# KiCad board central-control-unit.kicad_pcb (continued)
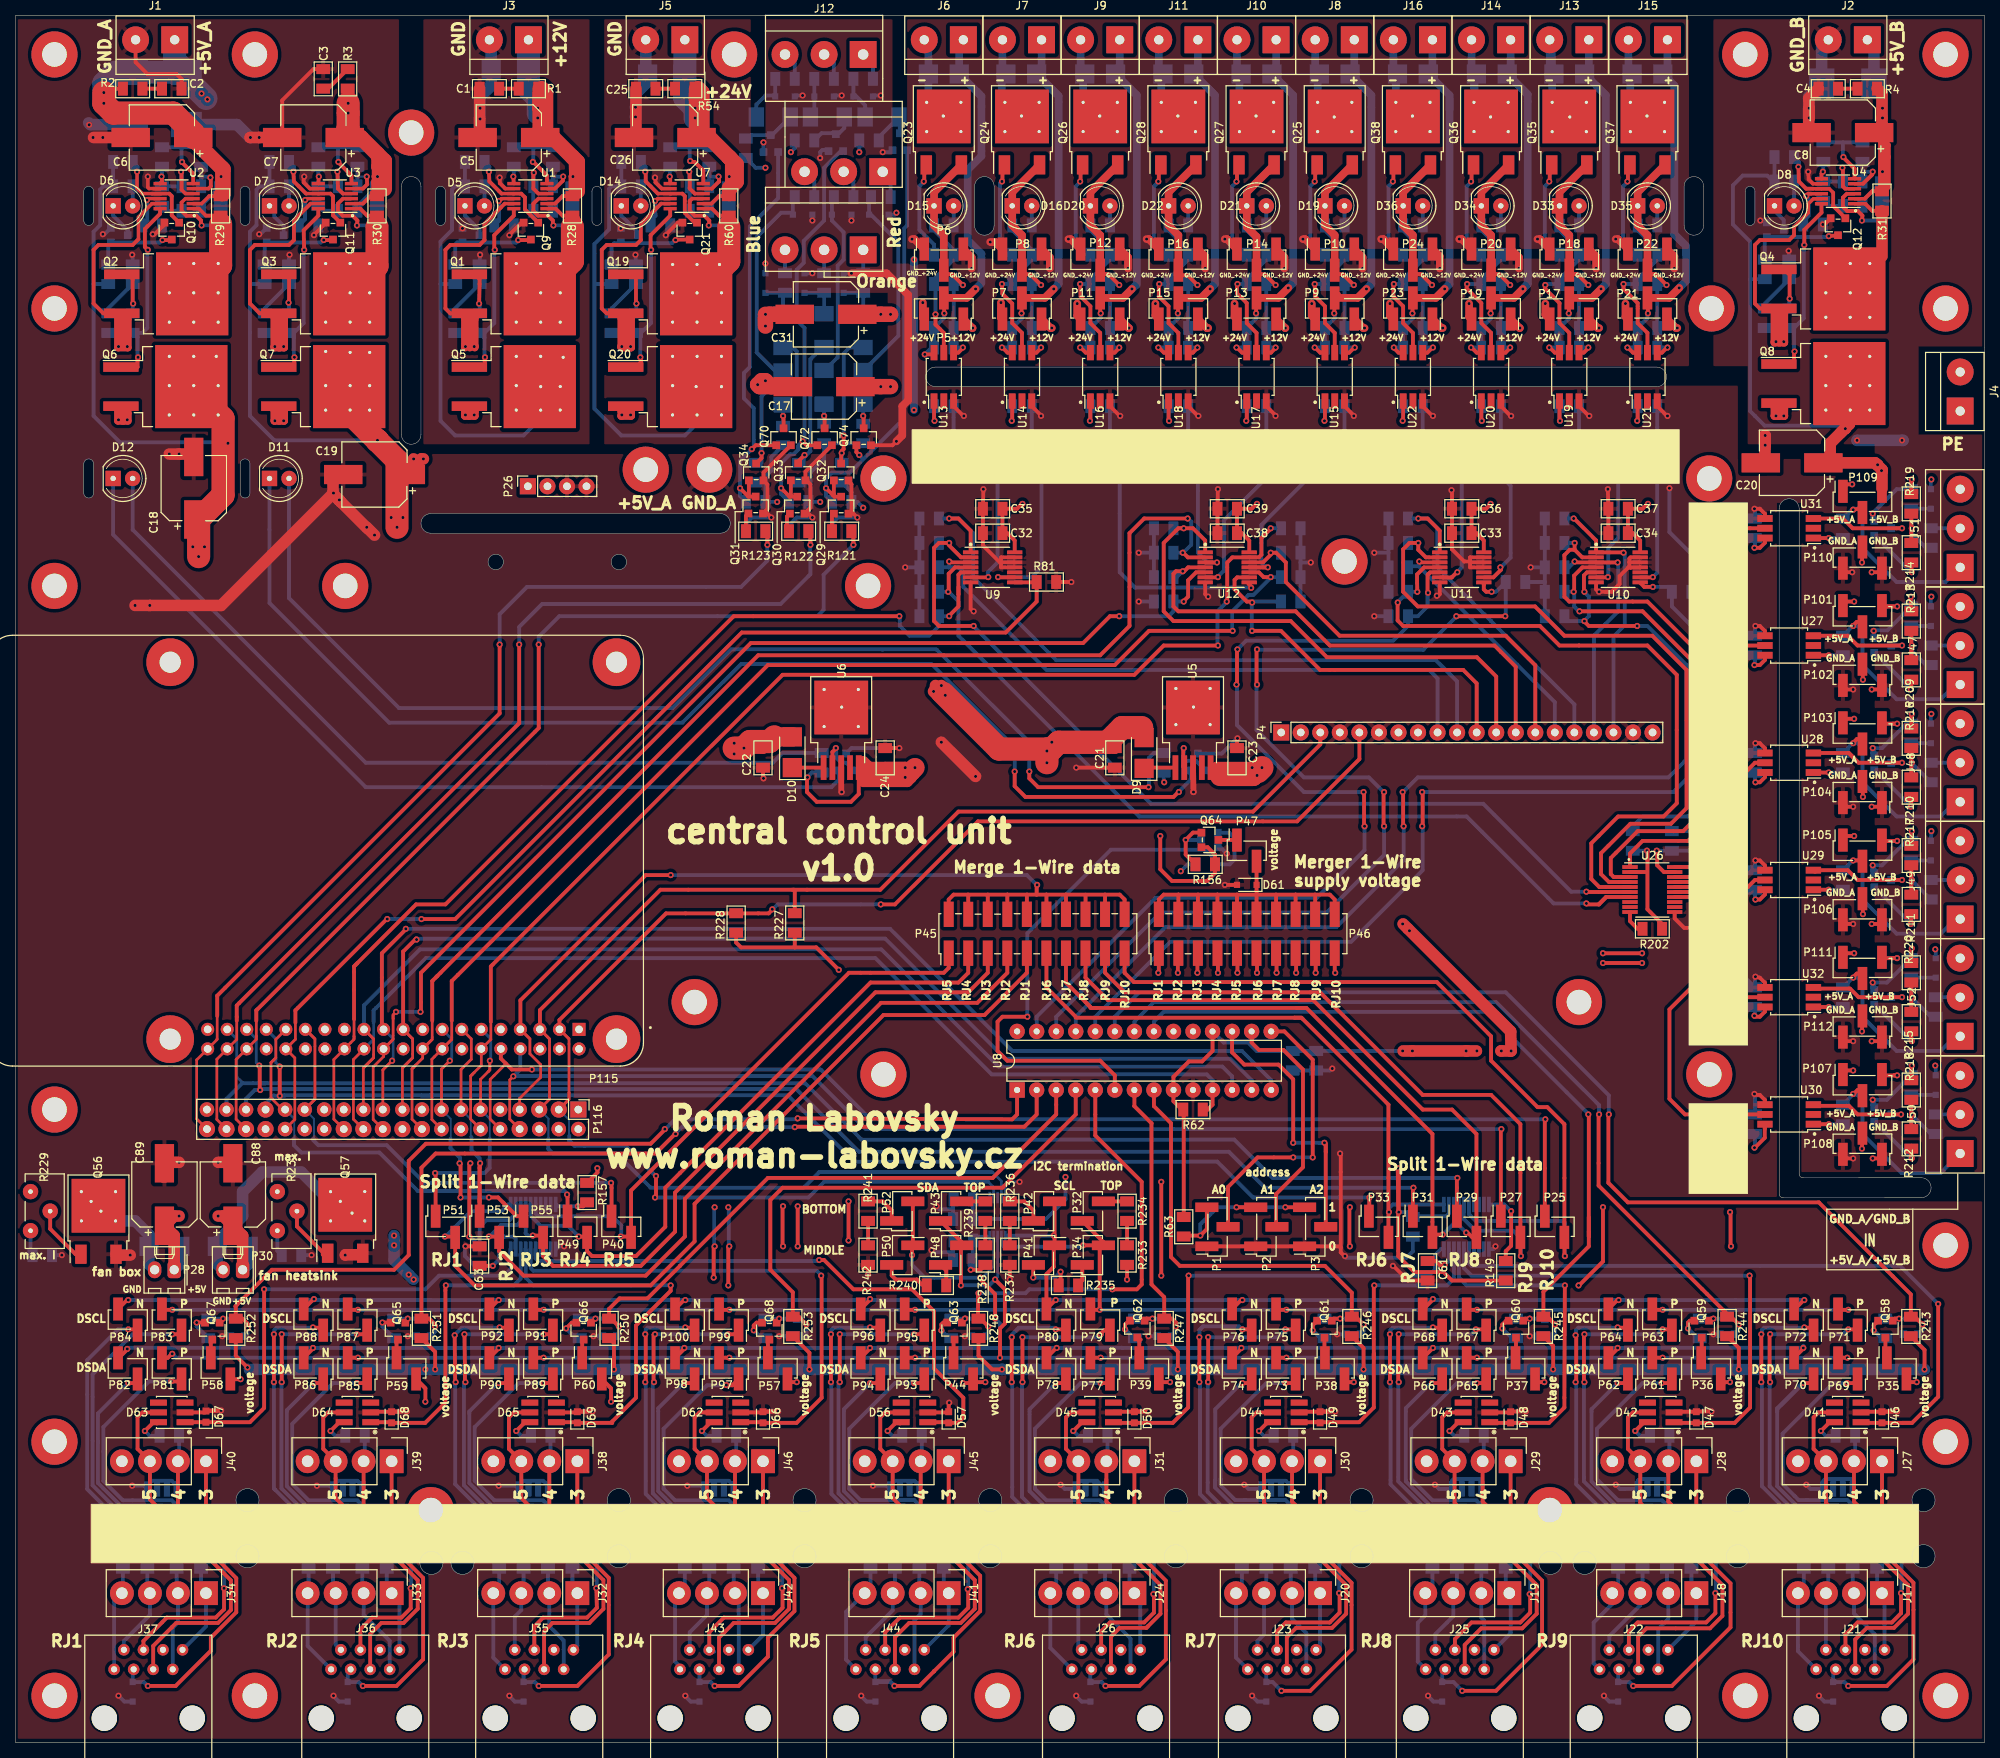
[diagram p0: board, top side]
## Placement (name value [footprint] x y rotation side) (continued)
P24  95293-101A03LF  [1x3_pin_header_2.54mm_vertical]  181.61 192.79 0 top
P25  10129380-902001BLF  [1x2_pin_header_2.54mm_vertical]  200.03 67.06 0 top
P26  DS1023-1-4S21  [1x4_pin_socket_2.54mm_vertical_8.5mm]  66.6 163.32 90 top
P27  10129380-902001BLF  [1x2_pin_header_2.54mm_vertical]  194.31 67.06 0 top
P28  -  [molex_kk_254_1x02_2.54mm_22112022_vertical]  19.37 61.47 180 top
P29  10129380-902001BLF  [1x2_pin_header_2.54mm_vertical]  188.59 67.06 0 top
P30  -  [molex_kk_254_1x02_2.54mm_22112022_vertical]  28.26 61.47 180 top
P31  10129380-902001BLF  [1x2_pin_header_2.54mm_vertical]  182.88 67.06 0 top
P32  10129380-902001BLF  [1x2_pin_header_2.54mm_vertical]  140.02 69.09 90 top
P33  10129380-902001BLF  [1x2_pin_header_2.54mm_vertical]  177.17 67.06 0 top
P34  10129380-902001BLF  [1x2_pin_header_2.54mm_vertical]  140.02 63.37 90 top
P35  10129380-902001BLF  [1x2_pin_header_2.54mm_vertical]  244.48 48.64 0 top
P36  10129380-902001BLF  [1x2_pin_header_2.54mm_vertical]  220.34 48.64 0 top
P37  10129380-902001BLF  [1x2_pin_header_2.54mm_vertical]  196.22 48.64 0 top
P38  10129380-902001BLF  [1x2_pin_header_2.54mm_vertical]  171.45 48.64 0 top
P39  10129380-902001BLF  [1x2_pin_header_2.54mm_vertical]  147.32 48.64 0 top
P40  10129380-902001BLF  [1x2_pin_header_2.54mm_vertical]  78.74 67.06 0 top
P41  10129380-902001BLF  [1x2_pin_header_2.54mm_vertical]  133.67 63.37 270 top
P42  10129380-902001BLF  [1x2_pin_header_2.54mm_vertical]  133.67 69.09 90 top
P43  10129380-902001BLF  [1x2_pin_header_2.54mm_vertical]  121.6 69.09 90 top
P44  10129380-902001BLF  [1x2_pin_header_2.54mm_vertical]  123.19 48.64 0 top
P45  95278-101A20LF  [2x10_pin_header_2.54mm_vertical]  132.72 105.16 0 top
P46  95278-101A20LF  [2x10_pin_header_2.54mm_vertical]  160.02 105.16 0 top
P47  10129380-902001BLF  [1x2_pin_header_2.54mm_vertical]  160.02 115.95 0 top
P48  10129380-902001BLF  [1x2_pin_header_2.54mm_vertical]  121.6 63.37 90 top
P49  10129380-902001BLF  [1x2_pin_header_2.54mm_vertical]  73.02 67.06 0 top
P50  10129380-902001BLF  [1x2_pin_header_2.54mm_vertical]  115.25 63.37 270 top
P51  10129380-902001BLF  [1x2_pin_header_2.54mm_vertical]  55.88 67.06 0 top
P52  10129380-902001BLF  [1x2_pin_header_2.54mm_vertical]  115.25 69.09 90 top
P53  10129380-902001BLF  [1x2_pin_header_2.54mm_vertical]  61.59 67.06 0 top
P55  10129380-902001BLF  [1x2_pin_header_2.54mm_vertical]  67.31 67.06 0 top
P57  10129380-902001BLF  [1x2_pin_header_2.54mm_vertical]  99.06 48.64 0 top
P58  10129380-902001BLF  [1x2_pin_header_2.54mm_vertical]  26.67 48.64 0 top
P59  10129380-902001BLF  [1x2_pin_header_2.54mm_vertical]  50.8 48.64 0 top
P60  10129380-902001BLF  [1x2_pin_header_2.54mm_vertical]  74.93 48.64 0 top
P61  10129380-902001BLF  [1x2_pin_header_2.54mm_vertical]  214 48.64 180 top
P62  10129380-902001BLF  [1x2_pin_header_2.54mm_vertical]  208.28 48.64 180 top
P63  10129380-902001BLF  [1x2_pin_header_2.54mm_vertical]  214 54.99 180 top
P64  10129380-902001BLF  [1x2_pin_header_2.54mm_vertical]  208.28 54.99 180 top
P65  10129380-902001BLF  [1x2_pin_header_2.54mm_vertical]  189.87 48.64 180 top
P66  10129380-902001BLF  [1x2_pin_header_2.54mm_vertical]  184.15 48.64 180 top
P67  10129380-902001BLF  [1x2_pin_header_2.54mm_vertical]  189.87 54.99 180 top
P68  10129380-902001BLF  [1x2_pin_header_2.54mm_vertical]  184.15 54.99 180 top
P69  10129380-902001BLF  [1x2_pin_header_2.54mm_vertical]  238.12 48.64 180 top
P70  10129380-902001BLF  [1x2_pin_header_2.54mm_vertical]  232.41 48.64 180 top
P71  10129380-902001BLF  [1x2_pin_header_2.54mm_vertical]  238.12 54.99 180 top
P72  10129380-902001BLF  [1x2_pin_header_2.54mm_vertical]  232.41 54.99 180 top
P73  10129380-902001BLF  [1x2_pin_header_2.54mm_vertical]  165.1 48.64 180 top
P74  10129380-902001BLF  [1x2_pin_header_2.54mm_vertical]  159.39 48.64 180 top
P75  10129380-902001BLF  [1x2_pin_header_2.54mm_vertical]  165.1 54.99 180 top
P76  10129380-902001BLF  [1x2_pin_header_2.54mm_vertical]  159.39 54.99 180 top
P77  10129380-902001BLF  [1x2_pin_header_2.54mm_vertical]  140.97 48.64 180 top
P78  10129380-902001BLF  [1x2_pin_header_2.54mm_vertical]  135.26 48.64 180 top
P79  10129380-902001BLF  [1x2_pin_header_2.54mm_vertical]  140.97 54.99 180 top
P80  10129380-902001BLF  [1x2_pin_header_2.54mm_vertical]  135.26 54.99 180 top
P81  10129380-902001BLF  [1x2_pin_header_2.54mm_vertical]  20.32 48.64 180 top
P82  10129380-902001BLF  [1x2_pin_header_2.54mm_vertical]  14.6 48.64 180 top
P83  10129380-902001BLF  [1x2_pin_header_2.54mm_vertical]  20.32 54.99 180 top
P84  10129380-902001BLF  [1x2_pin_header_2.54mm_vertical]  14.6 54.99 180 top
P85  10129380-902001BLF  [1x2_pin_header_2.54mm_vertical]  44.45 48.64 180 top
P86  10129380-902001BLF  [1x2_pin_header_2.54mm_vertical]  38.73 48.64 180 top
P87  10129380-902001BLF  [1x2_pin_header_2.54mm_vertical]  44.45 54.99 180 top
P88  10129380-902001BLF  [1x2_pin_header_2.54mm_vertical]  38.73 54.99 180 top
P89  10129380-902001BLF  [1x2_pin_header_2.54mm_vertical]  68.58 48.64 180 top
P90  10129380-902001BLF  [1x2_pin_header_2.54mm_vertical]  62.86 48.64 180 top
P91  10129380-902001BLF  [1x2_pin_header_2.54mm_vertical]  68.58 54.99 180 top
P92  10129380-902001BLF  [1x2_pin_header_2.54mm_vertical]  62.86 54.99 180 top
P93  10129380-902001BLF  [1x2_pin_header_2.54mm_vertical]  116.84 48.64 180 top
P94  10129380-902001BLF  [1x2_pin_header_2.54mm_vertical]  111.12 48.64 180 top
P95  10129380-902001BLF  [1x2_pin_header_2.54mm_vertical]  116.84 54.99 180 top
P96  10129380-902001BLF  [1x2_pin_header_2.54mm_vertical]  111.12 54.99 180 top
P97  10129380-902001BLF  [1x2_pin_header_2.54mm_vertical]  92.71 48.64 180 top
P98  10129380-902001BLF  [1x2_pin_header_2.54mm_vertical]  87 48.64 180 top
P99  10129380-902001BLF  [1x2_pin_header_2.54mm_vertical]  92.71 54.99 180 top
P100  10129380-902001BLF  [1x2_pin_header_2.54mm_vertical]  87 54.99 180 top
P101  95293-101A03LF  [1x3_pin_header_2.54mm_vertical]  240.03 146.43 0 top
P102  95293-101A03LF  [1x3_pin_header_2.54mm_vertical]  240.03 138.81 180 top
P103  95293-101A03LF  [1x3_pin_header_2.54mm_vertical]  240.03 131.19 0 top
P104  95293-101A03LF  [1x3_pin_header_2.54mm_vertical]  240.03 123.57 180 top
P105  95293-101A03LF  [1x3_pin_header_2.54mm_vertical]  240.03 115.95 0 top
P106  95293-101A03LF  [1x3_pin_header_2.54mm_vertical]  240.03 108.33 180 top
P107  95293-101A03LF  [1x3_pin_header_2.54mm_vertical]  240.03 85.47 0 top
P108  95293-101A03LF  [1x3_pin_header_2.54mm_vertical]  240.03 77.85 180 top
P109  95293-101A03LF  [1x3_pin_header_2.54mm_vertical]  240.03 161.29 0 top
P110  95293-101A03LF  [1x3_pin_header_2.54mm_vertical]  240.03 154.05 180 top
P111  95293-101A03LF  [1x3_pin_header_2.54mm_vertical]  240.03 100.71 0 top
P112  95293-101A03LF  [1x3_pin_header_2.54mm_vertical]  240.03 93.09 180 top
P115  DS1023-2-20S21  [module_raspberry_pi_4b]  39.12 115.95 180 top
P116  DS1021-2-20SF11-B  [2x20_pin_header_2.54mm_vertical]  73.15 81.03 270 top
Q1  AOB1608L  [to_263_2]  64.77 188.34 0 top
Q2  AOB1608L  [to_263_2]  19.6 188.34 0 top
Q3  AOB1608L  [to_263_2]  40 188.34 0 top
Q4  AOB1608L  [to_263_2]  234.95 188.98 0 top
Q5  AOB1608L  [to_263_2]  64.77 176.28 0 top
Q6  AOB1608L  [to_263_2]  19.48 176.28 0 top
Q7  AOB1608L  [to_263_2]  40 176.28 0 top
Q8  AOB1608L  [to_263_2]  234.95 176.68 0 top
Q9  PMV213SN,215  [sot_23]  66.99 196.6 270 top
Q10  PMV213SN,215  [sot_23]  20.32 196.6 270 top
Q11  PMV213SN,215  [sot_23]  41.27 196.6 270 top
Q12  PMV213SN,215  [sot_23]  236.86 197.16 270 top
Q13  PMV213SN,215  [sot_23]  59.1 195.96 0 bottom
Q14  PMV213SN,215  [sot_23]  13.4 195.96 0 bottom
Q15  PMV213SN,215  [sot_23]  33.66 195.96 0 bottom
Q16  PMV213SN,215  [sot_23]  228.6 196.67 0 bottom
Q17  YJL2305A  [sot_23]  153.67 127.38 90 bottom
Q18  YJL2305A  [sot_23]  107.95 127.38 90 bottom
Q19  AOB1608L  [to_263_2]  85.09 188.34 0 top
Q20  AOB1608L  [to_263_2]  85.09 176.28 0 top
Q21  PMV213SN,215  [sot_23]  87.63 196.6 270 top
Q22  PMV213SN,215  [sot_23]  79.69 195.96 0 bottom
Q23  AOD458  [to_252_2]  120.65 209.3 90 top
Q24  AOD458  [to_252_2]  130.81 209.3 90 top
Q25  AOD458  [to_252_2]  171.45 209.3 90 top
Q26  AOD458  [to_252_2]  140.97 209.3 90 top
Q27  AOD458  [to_252_2]  161.29 209.3 90 top
Q28  AOD458  [to_252_2]  151.13 209.3 90 top
Q29  PMV213SN,215  [sot_23]  107.31 160.77 90 top
Q30  PMV213SN,215  [sot_23]  101.6 160.77 90 top
Q31  PMV213SN,215  [sot_23]  96.2 160.78 90 top
Q32  PMV213SN,215  [sot_23]  107.31 165.08 90 top
Q33  PMV213SN,215  [sot_23]  101.72 165.1 90 top
Q34  PMV213SN,215  [sot_23]  96.27 165.08 90 top
Q35  AOD458  [to_252_2]  201.93 209.3 90 top
Q36  AOD458  [to_252_2]  191.77 209.3 90 top
Q37  AOD458  [to_252_2]  212.09 209.3 90 top
Q38  AOD458  [to_252_2]  181.61 209.3 90 top
Q39  PMV213SN,215  [sot_23]  246.32 54.1 90 bottom
Q40  PMV213SN,215  [sot_23]  222.44 54.1 90 bottom
Q41  PMV213SN,215  [sot_23]  198.75 53.83 90 bottom
Q42  PMV213SN,215  [sot_23]  173.86 54.09 90 bottom
Q43  PMV213SN,215  [sot_23]  149.29 53.85 90 bottom
Q44  PMV213SN,215  [sot_23]  125.22 53.83 90 bottom
Q45  PMV213SN,215  [sot_23]  155.26 117.35 180 bottom
Q46  PMV213SN,215  [sot_23]  101.54 53.85 90 bottom
Q47  PMV213SN,215  [sot_23]  28.89 53.85 90 bottom
Q48  PMV213SN,215  [sot_23]  53.02 53.85 90 bottom
Q49  PMV213SN,215  [sot_23]  77.22 53.83 90 bottom
Q50  PMV213SN,215  [sot_23]  242.57 142.62 0 bottom
Q51  PMV213SN,215  [sot_23]  242.57 127.38 0 bottom
Q52  PMV213SN,215  [sot_23]  242.57 112.14 0 bottom
Q53  PMV213SN,215  [sot_23]  242.57 81.66 0 bottom
Q54  PMV213SN,215  [sot_23]  242.57 157.86 0 bottom
Q55  PMV213SN,215  [sot_23]  242.57 96.9 0 bottom
Q56  YJD20N06A  [to_252_2]  10.79 67.69 90 top
Q57  YJD20N06A  [to_252_2]  42.86 67.82 90 top
Q58  BXT600P03M  [sot_23]  243.01 53.85 270 top
Q59  BXT600P03M  [sot_23]  219.14 53.85 270 top
Q60  BXT600P03M  [sot_23]  195.01 53.85 270 top
Q61  BXT600P03M  [sot_23]  170.12 53.85 270 top
Q62  BXT600P03M  [sot_23]  145.8 53.86 270 top
Q63  BXT600P03M  [sot_23]  122.04 53.61 270 top
Q64  BXT600P03M  [sot_23]  155.13 117.35 0 top
Q65  BXT600P03M  [sot_23]  49.72 53.59 270 top
Q66  BXT600P03M  [sot_23]  73.85 53.59 270 top
Q67  BXT600P03M  [sot_23]  25.59 53.59 270 top
Q68  BXT600P03M  [sot_23]  97.98 53.59 270 top
Q69  PMV213SN,215  [sot_23]  98.17 207.77 90 bottom
Q70  PMV213SN,215  [sot_23]  99.82 169.66 90 top
Q71  PMV213SN,215  [sot_23]  114.93 208.01 90 bottom
Q72  PMV213SN,215  [sot_23]  105.16 169.66 90 top
Q73  PMV213SN,215  [sot_23]  106.62 207.9 90 bottom
Q74  PMV213SN,215  [sot_23]  110.24 169.66 90 top
R1  10R  [r_1206]  66.67 215.01 180 top
R2  10R  [r_1206]  15.24 215.01 0 top
R3  10R  [r_1206]  43.18 216.28 90 top
R4  10R  [r_1206]  240.67 215.01 180 top
R5  649k  [r_1206]  68.58 199.14 180 bottom
R6  7k32  [r_1206]  68.58 202.31 0 bottom
R7  11k  [r_1206]  69.85 206.12 90 bottom
R8  61k9  [r_1206]  64.77 206.12 270 bottom
R9  825k  [r_1206]  22.86 199.14 180 bottom
R10  12k1  [r_1206]  19.05 201.04 90 bottom
R11  4k12  [r_1206]  22.86 202.31 0 bottom
R12  13k7  [r_1206]  24.13 206.12 90 bottom
R13  150k  [r_1206]  19.05 206.12 270 bottom
R14  825k  [r_1206]  43.18 199.14 180 bottom
R15  12k1  [r_1206]  39.37 201.04 90 bottom
R16  4k12  [r_1206]  43.18 202.31 0 bottom
R17  13k7  [r_1206]  44.45 206.12 90 bottom
R18  150k  [r_1206]  39.37 206.12 270 bottom
R19  825k  [r_1206]  238.76 199.77 180 bottom
R20  12k1  [r_1206]  234.95 201.68 90 bottom
R21  4k12  [r_1206]  238.76 202.95 0 bottom
R22  13k7  [r_1206]  240.03 206.76 90 bottom
R23  150k  [r_1206]  234.95 206.76 270 bottom
R24  100k  [r_1206]  72.39 201.04 270 bottom
R25  100k  [r_1206]  26.67 201.04 270 bottom
R26  100k  [r_1206]  46.99 201.04 270 bottom
R27  100k  [r_1206]  242.57 201.68 270 bottom
R28  47m  [r_1206]  72.39 199.77 90 top
R29  15m  [r_1206]  26.67 199.77 90 top
R30  47m  [r_1206]  46.99 199.77 90 top
R31  100m  [r_1206]  242.57 200.41 90 top
R32  10R  [r_1206]  60.33 184.53 270 bottom
R33  10R  [r_1206]  15.24 184.53 270 bottom
R34  10R  [r_1206]  35.56 184.53 270 bottom
R35  10R  [r_1206]  230.51 185.17 270 bottom
R36  1k  [r_1206]  57.15 184.53 270 bottom
R37  1k  [r_1206]  12.06 184.53 270 bottom
R38  1k  [r_1206]  32.38 184.53 270 bottom
R39  1k  [r_1206]  227.33 185.17 270 bottom
R40  100k  [r_1206]  59.69 205.49 0 bottom
R41  100k  [r_1206]  13.97 205.49 0 bottom
R42  100k  [r_1206]  34.29 205.49 0 bottom
R43  100k  [r_1206]  229.87 206.12 0 bottom
R44  100k  [r_1206]  57.15 190.88 90 bottom
R45  100k  [r_1206]  12.06 190.88 90 bottom
R46  100k  [r_1206]  32.38 190.88 90 bottom
R47  100k  [r_1206]  227.33 191.52 90 bottom
R48  1k02  [r_1206]  59.69 202.31 0 bottom
R49  330R  [r_1206]  13.97 202.31 0 bottom
R50  330R  [r_1206]  34.29 202.31 0 bottom
R51  330R  [r_1206]  229.87 202.95 0 bottom
R52  150R  [r_1206]  149.23 127.38 90 bottom
R53  150R  [r_1206]  104.77 127.38 90 bottom
R54  10R  [r_1206]  87 215.01 180 top
R55  825k  [r_1206]  88.9 199.14 180 bottom
R56  1k6  [r_1206]  88.9 202.31 0 bottom
R57  2k74  [r_1206]  90.17 206.12 90 bottom
R58  32k4  [r_1206]  85.09 206.12 270 bottom
R59  100k  [r_1206]  92.71 201.04 270 bottom
R60  47m  [r_1206]  92.71 199.77 90 top
R61  10R  [r_1206]  80.64 184.53 270 bottom
R62  10k  [r_1206]  153.04 82.3 0 top
R63  10k  [r_1206]  151.83 67.06 270 top
R64  1k  [r_1206]  77.47 184.53 270 bottom
R65  100k  [r_1206]  80.01 205.49 0 bottom
R66  100k  [r_1206]  77.47 190.88 90 bottom
R67  2k21  [r_1206]  80.01 202.31 0 bottom
R68  10k  [r_1206]  118.74 152.78 180 bottom
R69  10k  [r_1206]  118.74 159.13 180 bottom
R70  10k  [r_1206]  200.03 152.78 180 bottom
R71  10k  [r_1206]  200.03 159.13 180 bottom
R72  10k  [r_1206]  179.71 159.13 180 bottom
R73  10k  [r_1206]  179.71 152.78 180 bottom
R74  10k  [r_1206]  118.74 149.61 180 bottom
R75  10k  [r_1206]  118.74 155.96 180 bottom
R76  10k  [r_1206]  200.03 149.61 180 bottom
R77  10k  [r_1206]  200.03 155.96 180 bottom
R78  10k  [r_1206]  179.71 155.96 180 bottom
R79  10k  [r_1206]  179.71 149.61 180 bottom
R80  10k  [r_1206]  118.74 146.43 180 bottom
R81  10k  [r_1206]  133.99 150.88 0 top
R82  10k  [r_1206]  200.03 146.43 180 bottom
R83  10k  [r_1206]  216.54 149.61 0 bottom
R84  10k  [r_1206]  194.95 150.88 0 bottom
R85  10k  [r_1206]  179.71 146.43 180 bottom
R86  10k  [r_1206]  149.23 157.86 180 bottom
R87  10k  [r_1206]  149.23 151.51 180 bottom
R88  10k  [r_1206]  165.74 148.34 0 bottom
R89  10k  [r_1206]  165.74 154.69 0 bottom
R90  10k  [r_1206]  149.23 154.69 180 bottom
R91  10k  [r_1206]  149.23 148.34 180 bottom
R92  10k  [r_1206]  165.74 151.51 0 bottom
R93  10k  [r_1206]  165.74 157.86 0 bottom
R94  576R  [r_1206]  120.65 173.74 180 bottom
R95  576R  [r_1206]  130.81 173.74 180 bottom
R96  1k8/0.5W  [r_1206]  120.65 197.23 0 bottom
R97  1k8/0.5W  [r_1206]  130.81 197.23 0 bottom
R98  NC (10k)  [r_1206]  120.65 189.61 0 bottom
R99  1k  [r_1206]  120.65 193.42 0 bottom
R100  NC (10k)  [r_1206]  130.81 189.61 0 bottom
R101  1k  [r_1206]  130.81 193.42 0 bottom
R102  576R  [r_1206]  171.45 173.74 180 bottom
R103  576R  [r_1206]  140.97 173.74 180 bottom
R104  576R  [r_1206]  161.29 173.74 180 bottom
R105  576R  [r_1206]  151.13 173.74 180 bottom
R106  1k8/0.5W  [r_1206]  171.45 197.23 0 bottom
R107  1k8/0.5W  [r_1206]  140.97 197.23 0 bottom
R108  NC (10k)  [r_1206]  171.45 189.61 0 bottom
R109  1k8/0.5W  [r_1206]  161.29 197.23 0 bottom
R110  1k8/0.5W  [r_1206]  151.13 197.23 0 bottom
R111  NC (10k)  [r_1206]  140.97 189.61 0 bottom
R112  1k  [r_1206]  171.45 193.42 0 bottom
R113  NC (10k)  [r_1206]  161.29 189.61 0 bottom
R114  1k  [r_1206]  140.97 193.42 0 bottom
R115  NC (10k)  [r_1206]  151.13 189.61 0 bottom
R116  1k  [r_1206]  161.29 193.42 0 bottom
R117  1k  [r_1206]  151.13 193.42 0 bottom
R118  10k  [r_1206]  107.38 157.48 180 bottom
R119  10k  [r_1206]  101.79 157.48 180 bottom
R120  10k  [r_1206]  96.2 157.48 180 bottom
R121  1k  [r_1206]  107.38 157.48 0 top
R122  1k  [r_1206]  101.79 157.48 0 top
R123  1k  [r_1206]  96.2 157.48 0 top
R124  10k  [r_1206]  107.38 161.29 180 bottom
R125  10k  [r_1206]  101.79 161.29 180 bottom
R126  10k  [r_1206]  96.2 161.29 180 bottom
R127  250R  [r_1206]  107.38 165.1 90 bottom
R128  250R  [r_1206]  101.79 165.1 90 bottom
R129  250R  [r_1206]  96.2 165.1 90 bottom
R130  10R/0.5W  [r_1206]  110.17 189.74 90 bottom
R131  10R/0.5W  [r_1206]  105.09 189.74 90 bottom
R132  10R/0.5W  [r_1206]  100.01 189.74 90 bottom
R133  576R  [r_1206]  201.93 173.74 180 bottom
R134  576R  [r_1206]  191.77 173.74 180 bottom
R135  576R  [r_1206]  212.09 173.74 180 bottom
R136  576R  [r_1206]  181.61 173.74 180 bottom
R137  1k8/0.5W  [r_1206]  201.93 197.23 0 bottom
R138  1k8/0.5W  [r_1206]  191.77 197.23 0 bottom
R139  1k8/0.5W  [r_1206]  212.09 197.23 0 bottom
R140  1k8/0.5W  [r_1206]  181.61 197.23 0 bottom
R141  NC (10k)  [r_1206]  201.93 189.61 0 bottom
R142  NC (10k)  [r_1206]  191.77 189.61 0 bottom
R143  NC (10k)  [r_1206]  212.09 189.61 0 bottom
R144  NC (10k)  [r_1206]  181.61 189.61 0 bottom
R145  1k  [r_1206]  201.93 193.42 0 bottom
R146  1k  [r_1206]  191.77 193.42 0 bottom
R147  1k  [r_1206]  212.09 193.42 0 bottom
R148  1k  [r_1206]  181.61 193.42 0 bottom
R149  10k  [r_1206]  193.68 61.34 90 top
R150  10k  [r_1206]  243.01 53.85 90 bottom
R151  10k  [r_1206]  218.88 53.85 90 bottom
R152  10k  [r_1206]  195.01 53.85 90 bottom
R153  10k  [r_1206]  170.12 53.85 90 bottom
R154  10k  [r_1206]  145.48 53.85 90 bottom
R155  10k  [r_1206]  121.6 53.85 90 bottom
R156  10k  [r_1206]  154.62 114.17 180 top
R157  10k  [r_1206]  74.3 71.5 270 top
R158  10k  [r_1206]  97.47 53.85 90 bottom
R159  10k  [r_1206]  25.08 53.85 90 bottom
R160  10k  [r_1206]  49.21 53.85 90 bottom
R161  10k  [r_1206]  73.34 53.85 90 bottom
R162  10R/0.5W  [r_1206]  217.81 23.88 90 bottom
R163  10R/0.5W  [r_1206]  214.63 23.88 90 bottom
R164  10R/0.5W  [r_1206]  211.46 23.88 90 bottom
R165  10R/0.5W  [r_1206]  208.28 23.88 90 bottom
R166  10R/0.5W  [r_1206]  193.68 23.88 90 bottom
R167  10R/0.5W  [r_1206]  190.5 23.88 90 bottom
R168  10R/0.5W  [r_1206]  187.33 23.88 90 bottom
R169  10R/0.5W  [r_1206]  184.15 23.88 90 bottom
R170  10R/0.5W  [r_1206]  241.94 23.88 90 bottom
R171  10R/0.5W  [r_1206]  238.76 23.88 90 bottom
R172  10R/0.5W  [r_1206]  235.59 23.88 90 bottom
R173  10R/0.5W  [r_1206]  232.41 23.88 90 bottom
R174  10R/0.5W  [r_1206]  168.91 23.88 90 bottom
R175  10R/0.5W  [r_1206]  165.74 23.88 90 bottom
R176  10R/0.5W  [r_1206]  162.56 23.88 90 bottom
R177  10R/0.5W  [r_1206]  159.39 23.88 90 bottom
R178  10R/0.5W  [r_1206]  144.78 23.88 90 bottom
R179  10R/0.5W  [r_1206]  141.61 23.88 90 bottom
R180  10R/0.5W  [r_1206]  138.43 23.88 90 bottom
R181  10R/0.5W  [r_1206]  135.26 23.88 90 bottom
R182  10R/0.5W  [r_1206]  24.13 23.88 90 bottom
R183  10R/0.5W  [r_1206]  20.95 23.88 90 bottom
R184  10R/0.5W  [r_1206]  17.15 23.88 90 bottom
R185  10R/0.5W  [r_1206]  13.97 23.88 90 bottom
R186  10R/0.5W  [r_1206]  48.26 23.88 90 bottom
R187  10R/0.5W  [r_1206]  45.09 23.88 90 bottom
R188  10R/0.5W  [r_1206]  41.27 23.88 90 bottom
R189  10R/0.5W  [r_1206]  38.1 23.88 90 bottom
R190  10R/0.5W  [r_1206]  72.39 23.88 90 bottom
R191  10R/0.5W  [r_1206]  69.22 23.88 90 bottom
R192  10R/0.5W  [r_1206]  66.04 23.88 90 bottom
R193  10R/0.5W  [r_1206]  62.86 23.88 90 bottom
R194  10R/0.5W  [r_1206]  120.65 23.88 90 bottom
R195  10R/0.5W  [r_1206]  117.48 23.88 90 bottom
R196  10R/0.5W  [r_1206]  114.3 23.88 90 bottom
R197  10R/0.5W  [r_1206]  111.12 23.88 90 bottom
R198  10R/0.5W  [r_1206]  96.52 23.88 90 bottom
R199  10R/0.5W  [r_1206]  93.34 23.88 90 bottom
R200  10R/0.5W  [r_1206]  90.17 23.88 90 bottom
R201  10R/0.5W  [r_1206]  87 23.88 90 bottom
R202  10k  [r_1206]  212.73 105.79 180 top
R203  1k15  [r_1206]  237.49 142.62 270 bottom
R204  1k15  [r_1206]  237.49 127.38 270 bottom
R205  1k15  [r_1206]  237.49 112.14 270 bottom
R206  1k15  [r_1206]  237.49 81.66 270 bottom
R207  1k15  [r_1206]  237.49 157.86 270 bottom
R208  1k15  [r_1206]  237.49 96.9 270 bottom
R209  1k  [r_1206]  246.38 139.45 270 top
R210  1k  [r_1206]  246.38 124.21 270 top
R211  1k  [r_1206]  246.38 108.97 270 top
R212  1k  [r_1206]  246.38 78.49 270 top
R213  10k  [r_1206]  246.38 145.8 270 top
R214  1k  [r_1206]  246.38 154.69 270 top
R215  1k  [r_1206]  246.38 93.73 270 top
R216  10k  [r_1206]  246.38 130.56 270 top
R217  10k  [r_1206]  246.38 115.32 270 top
R218  10k  [r_1206]  246.38 84.84 270 top
R219  10k  [r_1206]  246.38 161.04 270 top
R220  10k  [r_1206]  246.38 100.08 270 top
R221  10R/0.5W  [r_1206]  248.92 141.35 270 bottom
R222  10R/0.5W  [r_1206]  248.92 126.11 270 bottom
R223  10R/0.5W  [r_1206]  248.92 110.87 270 bottom
R224  10R/0.5W  [r_1206]  249.56 80.39 270 bottom
R225  10R/0.5W  [r_1206]  248.92 156.59 270 bottom
R226  10R/0.5W  [r_1206]  249.56 95.63 270 bottom
R227  10k  [r_1206]  101.28 106.55 90 top
R228  10k  [r_1206]  93.66 106.55 90 top
R229  -  [T910Y]  3.81 69.09 270 top
R230  0R  [r_1206]  3.49 63.37 180 bottom
R231  -  [T910Y]  35.88 69.09 270 top
R232  0R  [r_1206]  35.88 63.37 180 bottom
R233  210R  [r_1206]  144.46 63.37 90 top
R234  390R  [r_1206]  144.46 69.09 90 top
R235  100R/120R  [r_1206]  136.84 59.44 180 top
R236  390R  [r_1206]  129.22 69.09 270 top
R237  210R  [r_1206]  129.22 63.37 270 top
R238  210R  [r_1206]  126.05 63.37 90 top
R239  390R  [r_1206]  126.05 69.09 90 top
R240  100R/120R  [r_1206]  119.7 59.44 180 top
R241  390R  [r_1206]  110.81 69.09 270 top
R242  210R  [r_1206]  110.81 63.37 270 top
R243  10k  [r_1206]  246.32 54.1 90 top
R244  10k  [r_1206]  222.44 54.1 90 top
R245  10k  [r_1206]  198.56 54.1 90 top
R246  10k  [r_1206]  173.67 54.1 90 top
R247  10k  [r_1206]  149.29 53.85 90 top
R248  10k  [r_1206]  125.16 53.85 90 top
R249  10k  [r_1206]  154.62 114.17 0 bottom
R250  10k  [r_1206]  77.15 53.85 90 top
R251  10k  [r_1206]  52.77 53.85 90 top
R252  10k  [r_1206]  28.64 53.85 90 top
R253  10k  [r_1206]  101.03 54.1 90 top
R254  250R  [r_1206]  94.93 207.26 90 bottom
R255  250R  [r_1206]  99.76 169.93 90 bottom
R256  250R  [r_1206]  110.93 208.28 0 bottom
R257  250R  [r_1206]  105.09 170.18 90 bottom
R258  250R  [r_1206]  102.55 208.28 0 bottom
R259  250R  [r_1206]  110.17 170.18 90 bottom
R260  10R/0.5W  [r_1206]  100.01 216.28 0 bottom
R261  10R/0.5W  [r_1206]  102.55 200.91 0 bottom
R262  10R/0.5W  [r_1206]  110.17 216.28 0 bottom
R263  10R/0.5W  [r_1206]  107.63 200.91 0 bottom
R264  10R/0.5W  [r_1206]  105.09 216.28 0 bottom
R265  10R/0.5W  [r_1206]  112.46 200.91 0 bottom
R266  NC (100R)  [r_1206]  213.68 39.88 0 bottom
R267  NC (100R)  [r_1206]  116.52 39.88 0 bottom
R268  NC (100R)  [r_1206]  189.55 39.88 0 bottom
R269  NC (100R)  [r_1206]  140.65 39.88 0 bottom
R270  NC (100R)  [r_1206]  237.81 39.88 0 bottom
R271  NC (100R)  [r_1206]  164.78 39.88 0 bottom
R272  NC (100R)  [r_1206]  44.13 39.88 0 bottom
R273  NC (100R)  [r_1206]  68.26 39.88 0 bottom
R274  NC (100R)  [r_1206]  20 39.88 0 bottom
R275  NC (100R)  [r_1206]  92.39 39.88 0 bottom
U1  LTC4231HMS-2#PBF  [msop_12]  66.92 201.04 180 top
U2  LTC4231HMS-2#PBF  [msop_12]  20.95 201.04 180 top
U3  LTC4231HMS-2#PBF  [msop_12]  41.52 201.04 180 top
U4  LTC4231HMS-2#PBF  [msop_12]  236.86 201.68 180 top
U5  TPS7B8733QKVURQ1  [to_252_5]  153.04 132.46 90 top
U6  TPS7B8733QKVURQ1  [to_252_5]  107.31 132.46 90 top
U7  LTC4231HMS-2#PBF  [msop_12]  87.24 201.04 180 top
U8  MCP23S17-E/SP  [spdip_28]  146.69 88.65 90 top
U9  SN74HCS4075QPWRQ1  [tssop_14]  127 152.78 0 top
U10  SN74HCS4075QPWRQ1  [tssop_14]  208.28 152.78 0 top
U11  SN74HCS4075QPWRQ1  [tssop_14]  187.96 152.78 0 top
U12  SN74HCS32QPWRQ1  [tssop_14]  157.48 152.78 0 top
U13  TLP2345  [so_6]  120.65 177.55 90 top
U14  TLP2345  [so_6]  130.81 177.55 90 top
U15  TLP2345  [so_6]  171.45 177.55 90 top
U16  TLP2345  [so_6]  140.97 177.55 90 top
U17  TLP2345  [so_6]  161.29 177.55 90 top
U18  TLP2345  [so_6]  151.13 177.55 90 top
U19  TLP2345  [so_6]  201.93 177.55 90 top
U20  TLP2345  [so_6]  191.77 177.55 90 top
U21  TLP2345  [so_6]  212.09 177.55 90 top
U22  TLP2345  [so_6]  181.61 177.55 90 top
U23  TXS0108EPWR  [tssop_20]  189.87 67.06 270 bottom
U24  TXS0108EPWR  [tssop_20]  68.58 67.06 270 bottom
U25  PCA9615  [tssop_10]  127.64 68.33 270 bottom
U26  TXS0108EPWR  [tssop_20]  212.73 109.6 0 top
U27  TLP2345  [so_6]  230.51 142.62 180 top
U28  TLP2345  [so_6]  230.51 127.38 180 top
U29  TLP2345  [so_6]  230.51 112.14 180 top
U30  TLP2345  [so_6]  230.51 81.66 180 top
U31  TLP2345  [so_6]  230.51 157.86 180 top
U32  TLP2345  [so_6]  230.51 96.9 180 top
~  ~  [via_pad_0.4x0.8mm]  11.11 69.09 0 top
~#2  ~  [via_pad_0.4x0.8mm]  42.23 70.36 0 top
~#3  ~  [via_pad_0.4x0.8mm]  120.59 211.45 0 top
~#4  ~  [via_pad_0.4x0.8mm]  68.26 176.28 0 top
~#5  ~  [via_pad_0.4x0.8mm]  91.76 176.28 0 top
~#6  ~  [via_pad_0.4x0.8mm]  88.46 176.28 0 top
~#7  ~  [via_pad_0.4x0.8mm]  70.8 176.28 0 top
~#8  ~  [via_pad_0.4x0.8mm]  91.5 192.15 0 top
~#9  ~  [via_pad_0.4x0.8mm]  46.04 192.28 0 top
~#10  ~  [via_pad_0.4x0.8mm]  46.04 188.47 0 top
~#11  ~  [via_pad_0.4x0.8mm]  46.04 184.66 0 top
~#12  ~  [via_pad_0.4x0.8mm]  40.32 184.66 0 top
~#13  ~  [via_pad_0.4x0.8mm]  40.32 188.47 0 top
~#14  ~  [via_pad_0.4x0.8mm]  43.5 192.28 0 top
~#15  ~  [via_pad_0.4x0.8mm]  43.5 188.47 0 top
~#16  ~  [via_pad_0.4x0.8mm]  43.5 184.66 0 top
~#17  ~  [via_pad_0.4x0.8mm]  43.5 180.72 0 top
~#18  ~  [via_pad_0.4x0.8mm]  40.32 180.85 0 top
~#19  ~  [via_pad_0.4x0.8mm]  40.32 176.4 0 top
~#20  ~  [via_pad_0.4x0.8mm]  43.5 176.4 0 top
~#21  ~  [via_pad_0.4x0.8mm]  46.04 176.4 90 top
~#22  ~  [via_pad_0.4x0.8mm]  46.04 173.23 0 top
~#23  ~  [via_pad_0.4x0.8mm]  43.5 173.23 0 top
~#24  ~  [via_pad_0.4x0.8mm]  40.32 173.23 0 top
~#25  ~  [via_pad_0.4x0.8mm]  23.18 192.28 0 top
~#26  ~  [via_pad_0.4x0.8mm]  20 192.28 0 top
~#27  ~  [via_pad_0.4x0.8mm]  20 188.47 0 top
~#28  ~  [via_pad_0.4x0.8mm]  23.18 188.47 0 top
~#29  ~  [via_pad_0.4x0.8mm]  26.35 188.47 0 top
~#30  ~  [via_pad_0.4x0.8mm]  26.35 184.66 0 top
~#31  ~  [via_pad_0.4x0.8mm]  23.18 184.66 0 top
~#32  ~  [via_pad_0.4x0.8mm]  20 184.66 0 top
~#33  ~  [via_pad_0.4x0.8mm]  23.18 180.21 0 top
~#34  ~  [via_pad_0.4x0.8mm]  20 180.21 0 top
~#35  ~  [via_pad_0.4x0.8mm]  20 176.4 0 top
~#36  ~  [via_pad_0.4x0.8mm]  23.18 176.4 0 top
~#37  ~  [via_pad_0.4x0.8mm]  26.35 176.4 0 top
~#38  ~  [via_pad_0.4x0.8mm]  26.35 172.59 0 top
~#39  ~  [via_pad_0.4x0.8mm]  23.18 172.59 0 top
~#40  ~  [via_pad_0.4x0.8mm]  20 172.59 0 top
~#41  ~  [via_pad_0.4x0.8mm]  68.26 192.28 0 top
~#42  ~  [via_pad_0.4x0.8mm]  65.09 192.28 0 top
~#43  ~  [via_pad_0.4x0.8mm]  65.09 188.47 0 top
~#44  ~  [via_pad_0.4x0.8mm]  68.26 188.47 0 top
~#45  ~  [via_pad_0.4x0.8mm]  70.8 188.47 0 top
~#46  ~  [via_pad_0.4x0.8mm]  70.8 184.66 0 top
~#47  ~  [via_pad_0.4x0.8mm]  68.26 184.66 0 top
~#48  ~  [via_pad_0.4x0.8mm]  65.09 184.66 0 top
~#49  ~  [via_pad_0.4x0.8mm]  68.26 180.21 0 top
~#50  ~  [via_pad_0.4x0.8mm]  65.09 180.21 0 top
~#51  ~  [via_pad_0.4x0.8mm]  65.09 176.4 0 top
~#52  ~  [via_pad_0.4x0.8mm]  70.8 173.23 0 top
~#53  ~  [via_pad_0.4x0.8mm]  68.26 173.23 0 top
~#54  ~  [via_pad_0.4x0.8mm]  65.09 173.23 0 top
~#55  ~  [via_pad_0.4x0.8mm]  88.58 192.15 0 top
~#56  ~  [via_pad_0.4x0.8mm]  85.41 192.15 0 top
~#57  ~  [via_pad_0.4x0.8mm]  85.41 188.47 0 top
~#58  ~  [via_pad_0.4x0.8mm]  88.58 188.47 0 top
~#59  ~  [via_pad_0.4x0.8mm]  91.76 188.47 0 top
~#60  ~  [via_pad_0.4x0.8mm]  91.76 184.66 0 top
~#61  ~  [via_pad_0.4x0.8mm]  88.58 184.66 0 top
~#62  ~  [via_pad_0.4x0.8mm]  85.41 184.66 0 top
~#63  ~  [via_pad_0.4x0.8mm]  91.76 180.21 0 top
~#64  ~  [via_pad_0.4x0.8mm]  88.58 180.21 0 top
~#65  ~  [via_pad_0.4x0.8mm]  85.41 180.21 0 top
~#66  ~  [via_pad_0.4x0.8mm]  85.41 176.4 0 top
~#67  ~  [via_pad_0.4x0.8mm]  85.41 172.59 0 top
~#68  ~  [via_pad_0.4x0.8mm]  88.58 172.59 0 top
~#69  ~  [via_pad_0.4x0.8mm]  91.76 172.59 0 top
~#70  ~  [via_pad_0.4x0.8mm]  118.43 213.23 0 top
~#71  ~  [via_pad_0.4x0.8mm]  122.87 213.23 0 top
~#72  ~  [via_pad_0.4x0.8mm]  122.87 209.42 0 top
~#73  ~  [via_pad_0.4x0.8mm]  118.43 209.42 0 top
~#74  ~  [via_pad_0.4x0.8mm]  128.59 213.23 0 top
~#75  ~  [via_pad_0.4x0.8mm]  133.03 213.23 0 top
~#76  ~  [via_pad_0.4x0.8mm]  133.03 209.42 0 top
~#77  ~  [via_pad_0.4x0.8mm]  128.59 209.42 0 top
~#78  ~  [via_pad_0.4x0.8mm]  138.75 213.23 0 top
~#79  ~  [via_pad_0.4x0.8mm]  143.19 213.23 0 top
~#80  ~  [via_pad_0.4x0.8mm]  143.19 209.42 0 top
~#81  ~  [via_pad_0.4x0.8mm]  138.75 209.42 0 top
~#82  ~  [via_pad_0.4x0.8mm]  148.91 213.23 0 top
~#83  ~  [via_pad_0.4x0.8mm]  153.35 213.23 0 top
~#84  ~  [via_pad_0.4x0.8mm]  153.35 209.42 0 top
~#85  ~  [via_pad_0.4x0.8mm]  148.91 209.42 0 top
~#86  ~  [via_pad_0.4x0.8mm]  159.07 213.23 0 top
~#87  ~  [via_pad_0.4x0.8mm]  163.51 213.23 0 top
~#88  ~  [via_pad_0.4x0.8mm]  163.51 209.42 0 top
~#89  ~  [via_pad_0.4x0.8mm]  159.07 209.42 0 top
~#90  ~  [via_pad_0.4x0.8mm]  169.23 213.23 0 top
~#91  ~  [via_pad_0.4x0.8mm]  173.67 213.23 0 top
~#92  ~  [via_pad_0.4x0.8mm]  173.67 209.42 0 top
~#93  ~  [via_pad_0.4x0.8mm]  169.23 209.42 0 top
~#94  ~  [via_pad_0.4x0.8mm]  179.39 213.23 0 top
~#95  ~  [via_pad_0.4x0.8mm]  183.83 213.23 0 top
~#96  ~  [via_pad_0.4x0.8mm]  183.83 209.42 0 top
~#97  ~  [via_pad_0.4x0.8mm]  179.39 209.42 0 top
~#98  ~  [via_pad_0.4x0.8mm]  189.55 213.23 0 top
~#99  ~  [via_pad_0.4x0.8mm]  193.99 213.23 0 top
~#100  ~  [via_pad_0.4x0.8mm]  189.55 209.42 0 top
~#101  ~  [via_pad_0.4x0.8mm]  193.99 209.42 0 top
~#102  ~  [via_pad_0.4x0.8mm]  199.71 213.23 0 top
~#103  ~  [via_pad_0.4x0.8mm]  204.15 213.23 0 top
~#104  ~  [via_pad_0.4x0.8mm]  204.15 209.42 0 top
~#105  ~  [via_pad_0.4x0.8mm]  199.71 209.42 0 top
~#106  ~  [via_pad_0.4x0.8mm]  209.87 213.23 0 top
~#107  ~  [via_pad_0.4x0.8mm]  214.31 213.23 0 top
~#108  ~  [via_pad_0.4x0.8mm]  214.31 209.42 0 top
~#109  ~  [via_pad_0.4x0.8mm]  209.87 209.42 0 top
~#110  ~  [via_pad_0.4x0.8mm]  240.98 192.28 0 top
~#111  ~  [via_pad_0.4x0.8mm]  240.98 188.47 0 top
~#112  ~  [via_pad_0.4x0.8mm]  240.98 185.29 0 top
~#113  ~  [via_pad_0.4x0.8mm]  238.44 185.29 0 top
~#114  ~  [via_pad_0.4x0.8mm]  235.27 185.29 0 top
~#115  ~  [via_pad_0.4x0.8mm]  235.27 188.47 0 top
~#116  ~  [via_pad_0.4x0.8mm]  238.44 188.47 0 top
~#117  ~  [via_pad_0.4x0.8mm]  238.44 192.28 0 top
~#118  ~  [via_pad_0.4x0.8mm]  235.27 192.28 0 top
~#119  ~  [via_pad_0.4x0.8mm]  240.98 180.21 0 top
~#120  ~  [via_pad_0.4x0.8mm]  240.98 176.4 0 top
~#121  ~  [via_pad_0.4x0.8mm]  240.98 173.23 0 top
~#122  ~  [via_pad_0.4x0.8mm]  238.44 173.23 0 top
~#123  ~  [via_pad_0.4x0.8mm]  235.27 173.23 0 top
~#124  ~  [via_pad_0.4x0.8mm]  235.27 176.4 0 top
~#125  ~  [via_pad_0.4x0.8mm]  238.44 176.4 0 top
~#126  ~  [via_pad_0.4x0.8mm]  238.44 180.21 0 top
~#127  ~  [via_pad_0.4x0.8mm]  235.27 180.21 0 top
~#128  ~  [via_pad_0.4x0.8mm]  8.57 71.63 0 top
~#129  ~  [via_pad_0.4x0.8mm]  13.02 71.63 0 top
~#130  ~  [via_pad_0.4x0.8mm]  13.02 67.82 0 top
~#131  ~  [via_pad_0.4x0.8mm]  8.57 67.82 0 top
~#132  ~  [via_pad_0.4x0.8mm]  40.96 71.63 0 top
~#133  ~  [via_pad_0.4x0.8mm]  45.4 71.63 0 top
~#134  ~  [via_pad_0.4x0.8mm]  45.4 67.82 0 top
~#135  ~  [via_pad_0.4x0.8mm]  40.96 67.82 0 top
~#136  ~  [via_pad_0.4x0.8mm]  105.09 136.91 0 top
~#137  ~  [via_pad_0.4x0.8mm]  109.54 136.91 0 top
~#138  ~  [via_pad_0.4x0.8mm]  109.54 132.08 0 top
~#139  ~  [via_pad_0.4x0.8mm]  105.09 132.08 0 top
~#140  ~  [via_pad_0.4x0.8mm]  107.38 134.62 0 top
~#141  ~  [via_pad_0.4x0.8mm]  153.1 134.62 0 top
~#142  ~  [via_pad_0.4x0.8mm]  150.81 137.03 0 top
~#143  ~  [via_pad_0.4x0.8mm]  155.26 137.03 0 top
~#144  ~  [via_pad_0.4x0.8mm]  155.26 132.33 0 top
~#145  ~  [via_pad_0.4x0.8mm]  150.81 132.33 0 top
~#146  ~  [via_pad_0.4x0.8mm]  151.07 211.45 0 top
~#147  ~  [via_pad_0.4x0.8mm]  43.75 68.83 0 top
~#148  ~  [via_pad_0.4x0.8mm]  191.71 211.33 0 top
~#149  ~  [via_pad_0.4x0.8mm]  181.55 211.45 0 top
~#150  ~  [via_pad_0.4x0.8mm]  130.75 211.45 0 top
~#151  ~  [via_pad_0.4x0.8mm]  212.03 211.45 0 top
